# Altium PCB C210.PcbDoc (part 6 of 8) (continued)
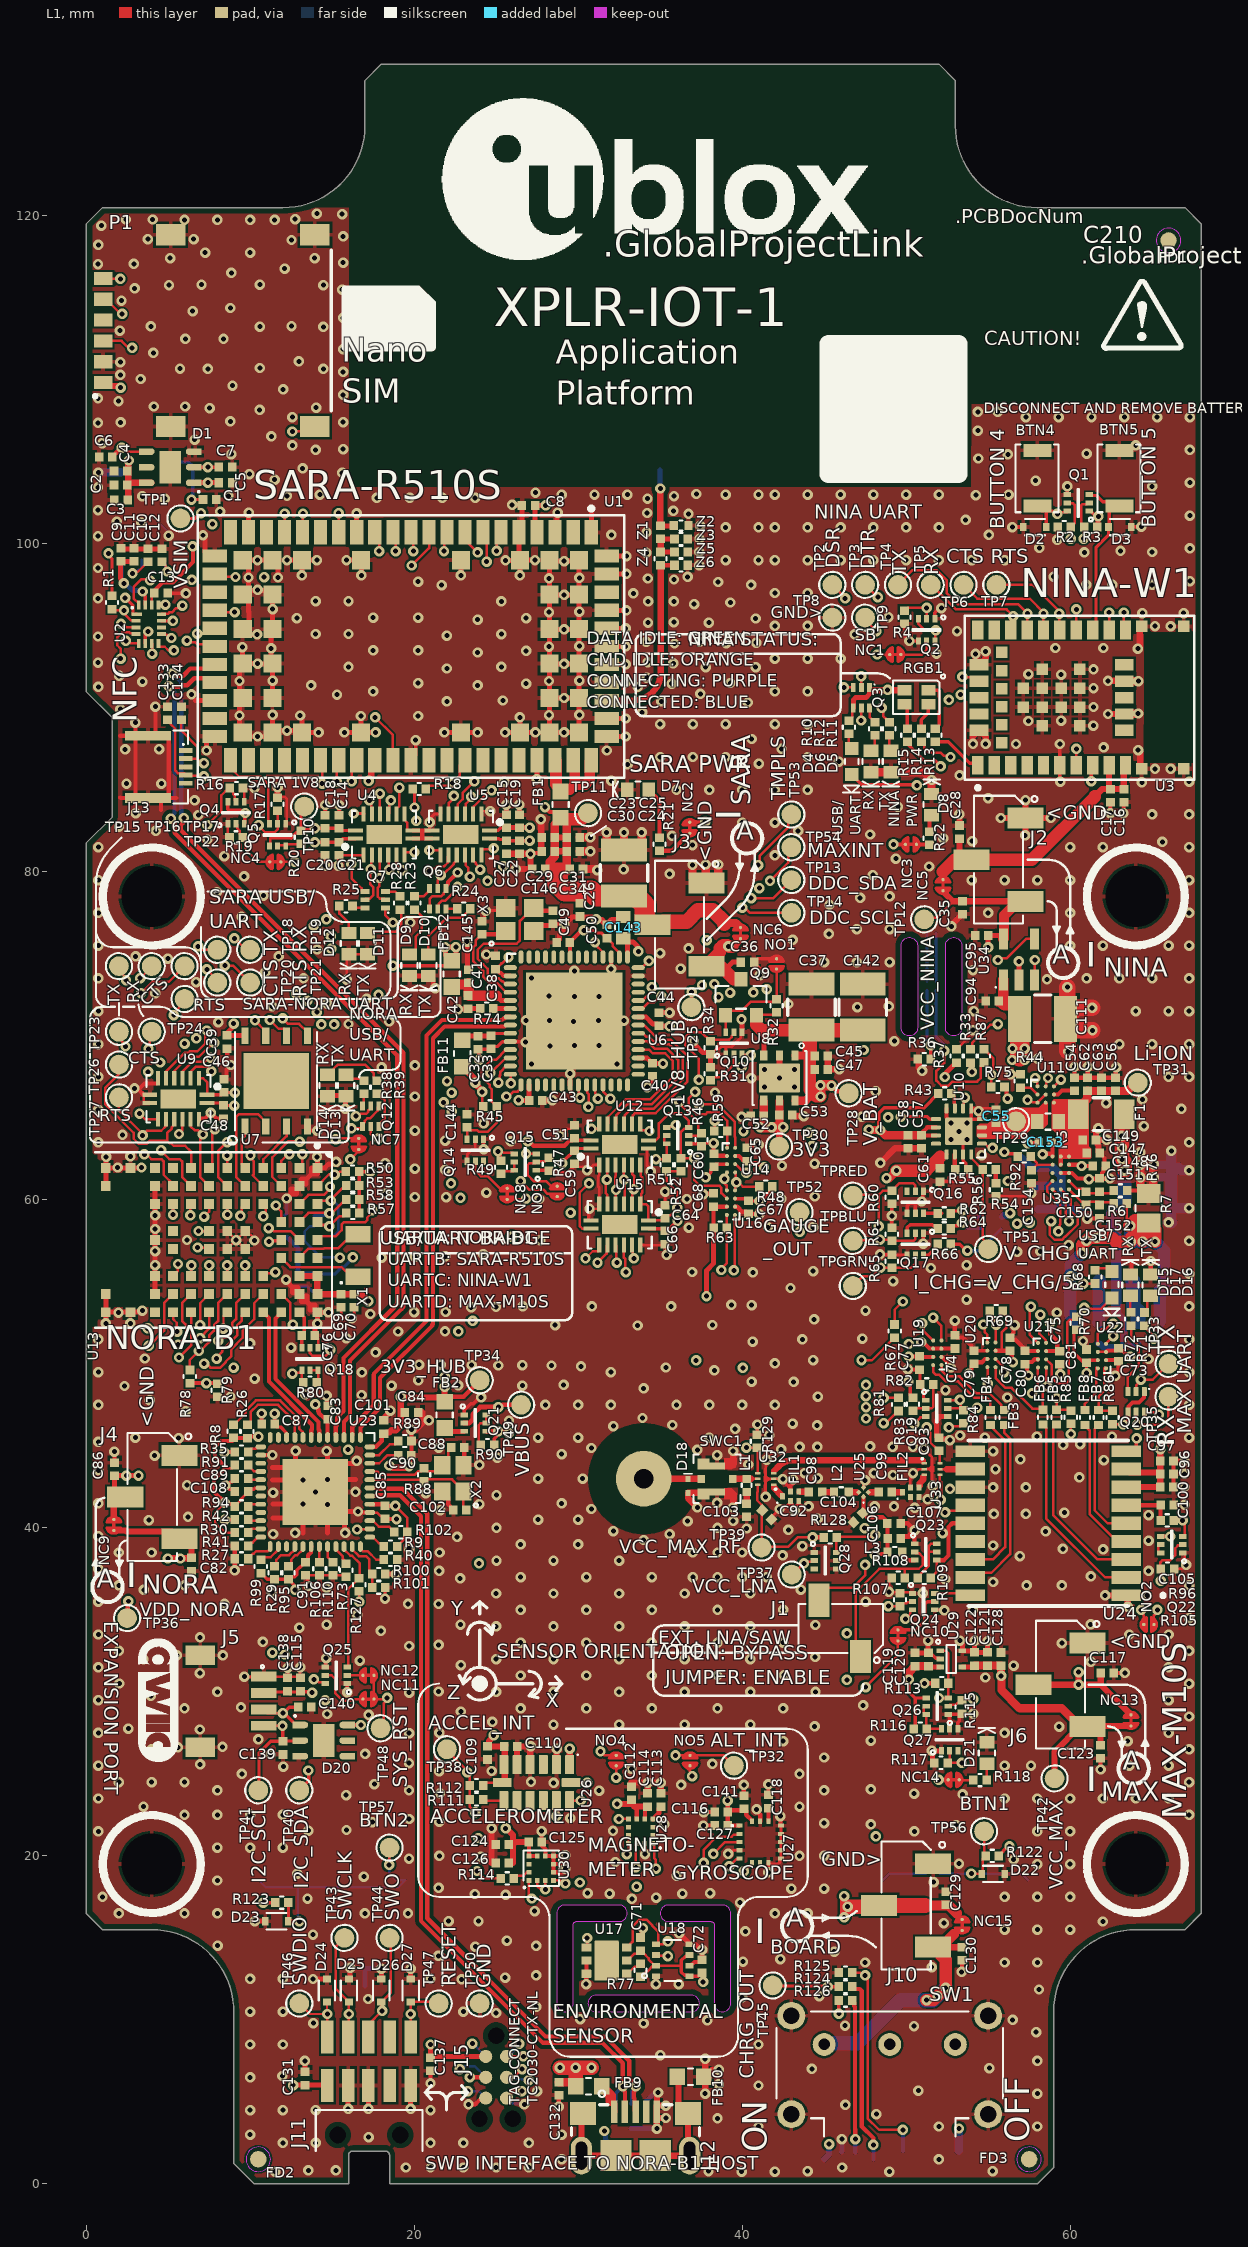
[diagram p0: L1 view]
## Nets (pads, with @x,y where several pads share a name; then routed paths per layer and width w, separated by ;. In a path a pad name is that pad's centre, name@x,y a point inside that pad or via, vN(x,y) a via of type N, cw(c..) or ccw(c..) an arc to the next point about the centre after c; other vN are vias at no path point) (continued)
  other v1: 33.4,60.653
NINA_RXD: Q3.2 TP5.1 U3.23 U12.3 U15.6 | length 61.3
  L1 w0.152: U15.6@31.786,59.742 31.786,60.31 31.693,60.404 31.693,61.17 v1(31.756,61.232) 31.771,61.248 31.771,62.116 U12.3@31.786,62.131 ; v1(47.254,91.925) 47.265,91.915 47.265,91.26 Q3.2@47.275,91.25 ; TP5.1@51.5,97.5 51.539,97.5 53.039,96 56.128,96 56.378,95.75 56.378,95.745 v1@56.378,95.596 ; U3.23@56.378,94.736 v1@56.378,95.596 ; v1(56.527,95.596) v1@56.378,95.596
  L3 w0.152: v1(31.756,61.232) 31.756,61.342 32.562,62.148 32.562,64.449 37.663,69.551 37.663,72.763 37.644,72.782 37.644,73.001 v1(37.552,73.094) ; v1(47.254,91.925) 47.28,91.951 49.151,91.951 50.902,90.2 52.27,90.2 52.562,90.492 v1(52.601,90.492)
  L4 w0.152: v1(37.552,73.094) 37.552,73.136 38.672,74.257 38.7,74.257 45.176,80.733 45.176,82.726 52.599,90.149 52.599,90.491 v1(52.601,90.492) 52.601,90.851 53.096,91.346 53.551,91.346 53.572,91.325 53.775,91.325 56.527,94.077 v1(56.527,95.596)
NINA_TXD: Q3.5 TP4.1 U3.22 U12.4 U15.5 | length 68.9
  L1 w0.152: U15.5@32.286,59.742 32.298,59.753 32.298,60.599 v1(32.309,60.61) 32.318,60.619 32.277,60.66 32.277,61.448 32.286,61.458 U12.4@32.286,62.131 ; v1(47.254,89.228) 47.265,89.238 47.265,89.99 Q3.5@47.275,90 ; TP4.1@49.5,97.5 50.4,98.4 51.85,98.4 52.488,97.762 52.488,96.982 53.145,96.325 56.825,96.325 57.4,95.75 v1(57.4,95.745) ; U3.22@57.378,94.736 57.398,94.757 v1@57.398,95.75
  L3 w0.152: v1(32.309,60.61) 32.277,60.643 32.277,61.448 32.841,62.013 32.841,64.334 38.026,69.518 38.026,72.743 38.311,73.029 v1(38.311,73.159) ; v1(47.254,89.228) 47.337,89.311 47.337,89.612 48.329,90.604 48.329,91.326 48.649,91.646 49.061,91.646 50.787,89.921 52.871,89.921 53.325,90.375 v1(53.325,90.8)
  L4 w0.152: v1(38.311,73.159) 38.375,73.159 38.716,73.5 38.716,73.878 45.481,80.642 45.481,82.6 53.325,90.444 v1(53.325,90.8) 53.681,90.8 57.4,94.519 v1(57.4,95.745)
NORA_BTN_1: BTN1.1 BTN1.2 D22.1 R122.1 TP56.1 U13.E8 | length 89.5
  L1 w0.152: v1(8.046,51.414) 8.177,51.414 8.358,51.595 8.577,51.595 8.897,51.915 8.897,52.48 9.15,52.733 9.15,53.7 U13.E8@9.7,54.25 ; v1(53.975,18.924) 54.573,18.924 D22.1@54.6,18.896 54.675,18.971 54.675,19.825 R122.1@54.85,20 ; TP56.1@54.75,21.5 54.75,20.15 R122.1@54.85,20.05
  L3 w0.152: v1(8.046,51.414) 8.506,50.954 8.506,50.089 7.85,49.433 7.85,35.158 12.1,30.907 13.286,30.907 13.68,31.301 14.08,31.301 14.587,30.795 v1(14.587,29.499)
  L4 w0.152: v1(14.587,29.499) 14.648,29.438 14.993,29.438 15.449,28.982 15.449,25.688 20.61,20.528 24.246,20.528 24.393,20.675 52.95,20.675 53.975,19.65 v1(53.975,18.924)
  L6 w0.152: BTN1.1@48.55,18.5 48.974,18.924 51.184,18.924 51.25,18.99 51.99,18.99 52.057,18.924 v1(53.975,18.924) 57.026,18.924 BTN1.2@57.45,18.5
NORA_BTN_2: BTN2.1 BTN2.2 D23.1 R123.1 TP57.1 U13.J8 | length 59.5
  L1 w0.152: v1(3.825,51.1) 4.75,52.025 4.75,53.7 U13.J8@5.3,54.25 ; v1@18.45,19.45 18.488,19.487 18.488,20.488 TP57.1@18.5,20.5
  L1 w0.203: D23.1@12.314,16.018 12.338,16.043 R123.1@12.338,17.15
  L1 w0.305: D23.1@12.314,16.018 12.332,16 v1(13,16)
  L3 w0.152: v1(3.825,51.1) 4.143,50.782 4.143,49.857 6.735,47.265 6.735,34.696 12.208,29.222 14.072,27.358 14.072,17.072 v1(13,16)
  L6 w0.152: BTN2.1@10.55,18.5 10.974,18.076 12.916,18.076 ; v1(13,16) 12.916,16.084 12.916,18.076 ; v1@18.45,19.45 18.475,19.425 18.475,18.924 18.899,18.5 BTN2.2@19.45,18.5 19.026,18.076 12.916,18.076
  other v1: 18.475,19.45
nQSPI_CS: U7.1 U13.E1 | length 2.7
  L1 w0.152: U7.1@9.68,64.475 9.68,63.905 9.476,63.701 9.476,62.174 U13.E1@9.7,61.95
nRESET: D27.1 J11.10 J15.3 J17.3 Q25.6 TP47.1 U13.J3 | length 75.5
  L1 w0.15: J11.10@19.79,8.96 v1(19.79,10.357)
  L1 w0.152: v1(13.88,30.765) 14.011,30.765 14.196,30.579 14.501,30.579 Q25.6@14.575,30.506 ; v1(19.79,10.357) D27.1@19.79,11.091 21.409,11.091 TP47.1@21.5,11
  L1 w0.203: v1(5.296,59.1) 5.298,59.102 5.298,59.748 U13.J3@5.3,59.75
  L1 w0.254: v1(23.397,6.511) 23.402,6.505 24.36,6.505 J15.3@24.365,6.5
  L3 w0.152: v1(5.296,59.1) 5.296,56.556 5.055,56.315 5.055,55.258 5.028,55.231 5.028,50.154 7.571,47.611 7.571,35.042 12.863,29.75 ; v1(13.88,30.765) 13.849,30.765 12.863,29.779 12.863,29.75 ; v1(23.397,6.511) 23.397,7.203 20.28,10.32 19.827,10.32 v1(19.79,10.357) 18.632,10.357 18.25,9.975 17.27,9.975 14.908,12.337 14.908,27.704 12.863,29.75
  L4 w0.152: v1(23.397,6.511) 26.302,6.511 26.356,6.456 26.806,6.456 26.824,6.474 v1(26.977,6.322)
  L6 w0.152: J17.3@25.635,6.5 25.809,6.326 25.849,6.366 26.948,6.366 26.977,6.337 v1(26.977,6.322)
QSPI_0: U7.5 U13.D2 | length 13.8
  L1 w0.152: v1(10.022,62.719) 9.922,62.619 9.922,62.575 9.922,62.479 10.095,62.479 10.229,62.345 10.229,61.555 10.162,61.488 U13.D2@10.8,60.85 ; v1(11.978,71.069) 11.978,71.043 12.298,70.724 12.984,70.724 13.487,70.22 13.49,70.22 U7.5@13.49,70.005
  L3 w0.152: v1(10.022,62.719) 9.922,62.719 9.922,63.634 10.625,64.338 10.625,69.375 11.989,70.739 11.989,71.059 v1(11.978,71.069)
QSPI_1: U7.2 U13.E2 | length 6.8
  L1 w0.152: U13.E2@9.7,60.85 9.15,61.4 9.15,65.05 9.325,65.225 10.475,65.225 10.95,64.75 U7.2@10.95,64.475
QSPI_2: U7.3 U13.D1 | length 3.1
  L1 w0.152: U13.D1@10.8,61.95 10.8,62.465 12.22,63.885 U7.3@12.22,64.475
QSPI_3: U7.7 U13.F2 | length 12.5
  L1 w0.152: v1(8.596,63.519) 8.579,63.519 8.05,62.99 8.05,61.4 U13.F2@8.6,60.85 ; v1(10.295,70.944) 10.295,70.93 10.95,70.275 U7.7@10.95,70.005
  L3 w0.152: v1(8.596,63.519) 8.596,63.536 10,64.94 10,70.518 10.295,70.813 v1(10.295,70.944)
QSPI_CLK: U7.6 U13.F1 | length 11.7
  L1 w0.152: U13.F1@8.6,61.95 8.6,62.675 8.614,62.689 v1(8.604,62.7) ; v1(11.198,70.964) 11.743,70.419 12.076,70.419 12.22,70.275 U7.6@12.22,70.005
  L3 w0.152: v1(8.604,62.7) 8.604,62.748 10.305,64.448 10.305,70.181 11.073,70.95 11.087,70.964 v1(11.198,70.964)
RTS0: TP27.1 U9.11 U13.H3 | length 12.8
  L1 w0.152: TP27.1@2,66.25 2,65.458 3.45,64.008 v1(3.45,63.937) ; v1@3.45,63.954 3.707,64.211 4.579,64.211 4.875,64.508 U9.11@4.875,64.908 ; v1(6.351,59.051) 6.351,59.701 U13.H3@6.4,59.75
  L3 w0.152: v1(3.45,63.937) 3.467,63.954 4.793,63.954 5.499,63.248 5.761,63.248 6.4,62.609 6.4,59.1 v1(6.351,59.051)
RTS4: TP22.1 U5.14 U13.F3 | length 39.3
  L1 w0.152: v1(5.35,71.263) TP22.1@6,72.25 ; U13.F3@8.6,59.75 8.611,59.739 v1(8.611,59.1) ; U5.14@23.597,81.025 23.597,80.7 23.769,80.528 23.769,80.491 24.028,80.232 v1(24.028,80.13)
  L3 w0.152: v1@5.35,71.25 5.35,71.225 v1(6.725,69.85) 6.725,67.283 8.525,65.483 8.525,64.228 8.05,63.753 8.05,62.475 8.6,61.925 8.6,59.111 v1(8.611,59.1)
  L4 w0.15: v1(6.725,69.85) 6.725,70.487 10.207,73.969 10.207,74.099 13.727,77.618 17.247,77.618 17.337,77.709 18.915,77.709 19.053,77.847 20.76,77.847 21.135,78.222 22.94,78.222 23.955,79.237 23.955,80.058 v1(24.028,80.13)
RTS6: U13.A5 U15.13 | length 23.7
  L1 w0.152: U13.A5@14.1,57.55 14.325,57.775 15.202,57.775 15.571,58.145 15.571,58.495 15.705,58.629 17.009,58.629 17.139,58.759 17.139,58.923 17.447,59.231 v1(17.447,59.361) ; U15.13@32.786,57.242 32.786,56.483 32.885,56.384 32.885,55.612 v1(32.911,55.586)
  L3 w0.152: v1(29.542,59.22) 29.542,59.195 30.987,57.75 31.52,57.75 32.885,56.384 32.885,55.612 v1(32.911,55.586)
  L4 w0.152: v1(17.447,59.361) 17.539,59.269 17.906,59.269 17.967,59.207 29.529,59.207 v1(29.542,59.22)
RX0: Q12.5 TP24.1 U9.14 U13.G2 | length 25.7
  L1 w0.152: v1(3.802,69.21) 3.894,69.302 3.894,70.144 TP24.1@4,70.25 ; U9.14@6.375,64.908 6.375,64.485 6.631,64.229 6.83,64.229 7.064,63.996 v1(7.113,63.996) ; v1@7.1,63.959 6.95,63.808 6.95,61.4 U13.G2@7.5,60.85 ; v1(16.44,65.1) 16.571,65.1 16.718,65.247 17.08,65.247 17.208,65.375 17.208,65.453 17.355,65.6 Q12.5@17.355,65.725
  L3 w0.152: v1(3.802,69.21) 3.886,69.125 4.566,69.125 5.1,68.591 5.1,66.211 6.871,64.44 6.871,64.367 7.113,64.126 v1(7.113,63.996)
  L4 w0.152: v1(7.113,63.996) 7,64.108 7,65.5 7.375,65.875 7.93,65.875 8.73,65.075 15.325,65.075 15.375,65.025 16.365,65.025 v1(16.44,65.1)
RX1/SARA_PRI_TX: Q7.5 TP18.1 U4.3 U6.23 | length 44.7
  L1 w0.15: U6.23@30.514,67.008 30.542,66.979 30.542,66.538 30.635,66.446 30.635,65.674 v1(30.627,65.666)
  L1 w0.152: v1(6.835,75.459) 7.044,75.25 TP18.1@8,75.25 ; Q7.5@17,78.3 17.074,78.374 17.297,78.374 17.492,78.569 17.492,79.075 17.329,79.238 17.329,80.174 v1(17.355,80.174) 17.39,80.174 17.39,80.993 U4.3@17.422,81.025
  L3 w0.152: v1(17.355,80.174) 17.355,79.388 17.267,79.3 17.267,73.8 19.279,71.787 19.279,69.83 21.2,67.909 21.2,65.761 21.561,65.4 22.275,65.4 v1(22.303,65.372)
  L4 w0.152: v1@6.835,75.446 7.889,76.5 9.549,76.5 12.62,79.571 16.438,79.571 16.529,79.661 16.816,79.661 17.329,80.174 v1(17.355,80.174) ; v1(22.303,65.372) 22.999,65.372 23.182,65.19 24.484,65.19 24.952,64.722 29.046,64.722 29.99,65.666 v1(30.627,65.666)
RX4: Q6.5 TP16.1 U5.12 U13.G5 | length 47
  L1 w0.152: v1(3.3,73.513) 4,74.213 TP16.1@4,74.25 ; v1(6.799,57.092) 7.408,57.092 U13.G5@7.5,57 ; Q6.5@21.442,78.999 21.442,79.49 21.617,79.665 v1(21.617,79.796) 21.731,79.796 22.425,80.491 22.425,80.528 22.6,80.703 U5.12@22.6,80.975
  L3 w0.152: v1@3.3,73.5 2.63,72.83 2.63,70.401 3.254,69.777 3.254,68.764 3.642,68.375 v1(4.512,68.375) 4.512,66.368 6.567,64.313 6.567,63.769 6.886,63.449 6.986,63.449 7.343,63.092 7.343,60.172 8.065,59.45 8.065,58.64 7.375,57.95 7.375,57.525 7.203,57.353 7.191,57.353 6.93,57.092 v1(6.799,57.092)
  L4 w0.152: v1(4.512,68.375) 4.6,68.375 5.465,69.24 5.465,70.087 9.41,74.032 9.41,74.163 13.424,78.176 17.016,78.176 17.106,78.266 18.684,78.266 18.873,78.455 20.58,78.455 21.535,79.41 21.535,79.714 v1(21.617,79.796)
RX5: R78.2 U13.F8 U21.A2 | length 62.9
  L1 w0.152: R78.2@6.32,49.625 6.32,50.226 v1(6.879,50.785) 6.882,50.787 6.882,50.811 6.99,50.811 7.5,51.321 7.5,51.717 7.805,52.022 7.805,52.368 8.05,52.613 8.05,53.7 U13.F8@8.6,54.25 ; v1(58.188,53) 58.123,52.935 58.123,51.837 58.52,51.439 58.52,51.296 U21.A2@58.538,51.278
  L4 w0.152: v1(6.879,50.785) 6.96,50.785 7.5,51.325 7.5,51.719 7.805,52.024 7.805,52.368 8.463,53.026 13.081,53.026 14.555,54.5 37.466,54.5 37.609,54.644 41.41,54.644 42.229,53.825 47.682,53.825 48.523,52.984 50.241,52.984 50.926,53.668 52.688,53.668 53.45,54.43 53.949,54.43 54.711,53.668 56.698,53.668 57.548,52.819 57.876,52.819 58.058,53 v1(58.188,53)
RX6: U13.H9 U15.12 | length 34.2
  L1 w0.152: v1(5.661,50.386) 6.4,51.125 U13.H9@6.4,53.15 ; U15.12@32.286,57.242 32.325,57.203 32.325,56.208 v1(32.364,56.169)
  L4 w0.152: v1(5.661,50.386) 6.4,51.125 6.4,52.663 7.678,53.94 12.703,53.94 14.1,55.338 31.533,55.338 v1(32.364,56.169)
SARA_1V8: C8.2 C14.2 C15.1 C18.2 C19.2 C73.2 C74.2 NO3.2 Q5.4 R1.2 R18.1 R20.1 TP10.1 U1.4 U4.16 U5.1 U5.10 U5.15 U19.C1 U19.C2 U22.C1 U22.C2 | length 175
  L1 w0.152: Q5.4@11.221,81.623 11.221,82.05 12.502,82.05 ; v1(20.933,81.312) 21.518,81.312 21.597,81.234 U5.10@21.597,81.025 ; U5.15@24.097,81.025 24.097,81.335 24.147,81.384 24.813,81.384 v1@24.86,81.43 ; v1(26.497,61.137) 27.012,60.622 27.876,60.622 28.14,60.358 28.294,60.358 28.454,60.199 NO3.2@28.725,60.199 ; U19.C2@51.65,50.925 U19.C1@52.15,50.925 ; U22.C2@61.688,50.725 U22.C1@62.188,50.725
  L1 w0.203: v1(1.365,99.425) 1.365,99.308 1.575,99.098 R1.2@1.575,96.825 ; Q5.4@11.172,81.575 Q5.4@11.221,81.623 ; 12.502,82.05 12.852,82.4 12.997,82.4 R20.1@13.097,82.5 13.097,83.777 TP10.1@13.3,83.98 ; R20.1@13.11,82.487 13.2,82.578 13.869,82.578 v1(13.947,82.656) C18.2@14.576,82.656 C14.2@15.425,82.656 15.556,82.525 U4.16@16.422,82.525 ; R18.1@19.922,85.05 20.022,84.95 v1(20.022,83.925) ; U5.1@24.597,82.525 25.122,82.525 25.272,82.675 C15.1@25.622,82.675
  L1 w0.254: v1(50.919,51.331) 51.022,51.331 51.417,50.936 C74.2@52.968,50.936 ; U22.C1@62.188,50.725 62.198,50.725 62.294,50.821 62.817,50.821 62.958,50.962 63.098,50.821 63.188,50.821 63.565,50.444 v1(63.668,50.444)
  L1 w0.305: C15.1@25.622,82.675 25.647,82.7 v1(27.045,82.7) ; U1.4@27.5,100.7 27.372,100.828 C8.2@27.372,102.35 v1(28.022,102.35)
  L3 w0.152: v1(7.699,101.2) 10.625,101.2 11.796,102.371 14.496,102.371 15.05,102.925 16.832,102.925 17.932,101.825 26.825,101.825 27.35,102.35 v1(28.022,102.35)
  L3 w0.254: v1(20.933,81.312) 20.933,81.305 20.279,80.651 20.279,77.215 20.445,77.048 20.445,70.355 22.88,67.92 22.88,61.738 22.25,61.109 v1(22.25,61.005) 22.177,60.933 21.886,60.933 20.869,59.916 20.869,55.058 22.519,53.408 22.519,52.176 22.692,52.003 v1(22.692,51.977)
  L3 w0.305: v1@27.097,82.752 v1(27.045,82.7) 27.045,84.082 28.097,85.135 28.097,88.728 27.5,89.325 27.5,98.128 28.022,98.65 v1(28.022,102.35)
  L4 w0.152: v1(22.25,61.005) 22.316,61.071 26.432,61.071 v1(26.497,61.137) ; 24.622,82.497 24.622,82.052 24.768,81.907 24.768,81.522 v1(24.86,81.43)
  L4 w0.203: 39.898,51.9 40.098,52.1 50.569,52.1 50.769,51.9 ; 50.919,51.808 58.871,51.808 59.739,52.676 59.739,53.189 60.516,53.966 61.082,53.966 62.017,53.03 62.017,51.483 62.407,51.093 63.019,51.093 v1(63.668,50.444)
  L4 w0.254: v1(22.692,51.977) 22.719,51.977 22.928,51.767 39.765,51.767 39.898,51.9 ; 50.769,51.9 50.827,51.9 50.919,51.808 v1(50.919,51.331)
  L4 w0.305: v1(20.933,81.312) 21.481,81.312 22.601,82.432
  L4 w0.381: v1(13.947,82.656) 18.754,82.656 v1(20.022,83.925) 20.347,83.925 20.597,83.675 21.422,83.675 22.601,82.497 24.622,82.497 26.708,82.497 26.772,82.56 26.906,82.56 v1(27.045,82.7)
  L5 w0.203: v1(1.365,99.425) 3.089,99.425 4.864,101.2 v1(7.699,101.2)
SARA_VCC_IN: C13.1 C23.2 C24.1 C25.2 C26.2 C29.1 C30.1 C31.1 C34.1 FB1.1 J3.2 NC6.1 TP11.1 U2.14 | length 61.1
  L1 w0.152: U2.14@4.011,96.275 4.011,96.85 C13.1@4.161,97
  L1 w0.254: C13.1@4.161,97 4.161,97.146 4.664,97.649 5.291,97.649 6.525,98.883 6.525,99.814 6.493,99.846 v1(6.496,99.849) ; v1(27.979,83.942) 28.271,83.65 28.475,83.65 FB1.1@28.925,83.2 ; 30.075,78.831 30.1,78.806 C34.1@30.1,78.078
  L1 w0.381: C30.1@28.575,81.25 C24.1@29.3,81.25 ; C23.2@28.575,82.1 C25.2@29.3,82.1 ; FB1.1@28.628,82.903 28.925,83.2 FB1.1@29.078,83.2
  L1 w0.508: 28.325,80.1 28.25,80.175 28.25,80.607 28.575,80.932 C30.1@28.575,81.25 C23.2@28.575,82.1 FB1.1@28.575,82.903 ; C31.1@29.3,80.175 C24.1@29.3,81.25 C25.2@29.3,82.1 FB1.1@29.3,82.925 ; 38.9,76.85 38.933,76.883 39.617,76.883 NC6.1@39.9,76.6
  L1 w0.762: 28.35,80.175 29.15,80.175 ; FB1.1@29.078,83.2 30.218,83.2 TP11.1@30.6,83.582 ; C31.1@29.247,80.122 C31.1@29.247,80.175
  L1 w0.889: J3.2@34.525,76.779 34.99,76.779 35.181,76.969 36.609,76.969 37.304,77.664 38.193,77.664 38.9,76.957 38.9,76.85
  L1 w1.27: 28.742,79.853 28.742,79.288 29.198,78.831 30.075,78.831 30.784,78.831 31.085,78.53 33.497,78.53 34.06,77.968 34.06,76.779 J3.2@34.56,76.779
  L4 w0.254: v1(6.496,99.849) 6.491,99.849 6.491,98.869 8.39,96.97 9.541,96.97 9.586,96.925 9.6,96.925 14.4,92.125 14.4,90.75 18.927,86.223 25.698,86.223 v1(27.979,83.942)
SENSE_I2C_SCL: C139.2 D20.2 J5.4 R58.1 TP41.1 U11.A3 U13.B4 U17.6 U18.4 U26.14 U27.2 U28.1 U30.1 U31.4 U35.A3 | length 161.9
  L1 w0.15: v1(37.647,19.575) 37.647,20.367 38.446,21.166 39.353,21.166 39.477,21.29 39.785,21.29 U27.2@39.835,21.34
  L1 w0.152: J5.4@10.825,27.931 v1(11.975,27.931) ; U13.B4@13,58.65 13.55,59.2 14.8,59.2 v1(14.825,59.175) 14.97,59.175 R58.1@15.838,60.044 ; U30.1@27,18.5 27,17.575 v1(27.175,17.4) ; U26.14@29.573,24.467 v1(30.559,24.467) ; U17.6@32.964,14.413 33.014,14.413 33.187,14.587 33.187,14.637 33.324,14.774 33.324,15.693 33.741,16.109 34.172,16.109 34.524,15.758 34.524,15.726 34.893,15.357 34.893,14.702 U18.4@34.794,14.603 ; U28.1@34.575,20.75 34.646,20.679 34.646,19.848 34.723,19.772 34.723,19.249 v1(34.746,19.226) ; U18.4@34.744,14.603 U18.4@34.794,14.603 ; v1(35.475,14.787) 35.347,14.787 35.163,14.603 U18.4@34.794,14.603 ; U35.A3@58.93,60.642 59.72,59.852 59.72,59.031 59.929,58.822 v1(59.929,58.705) ; U11.A3@59.01,66.922 59.017,66.922 59.429,67.333 v1(59.435,67.333)
  L1 w0.203: TP41.1@10.5,24 10.539,24.039 10.539,26.269 11.25,26.981 C139.2@11.993,26.981 ; v1(11.975,27.931) 11.984,27.922 11.984,26.989 C139.2@11.993,26.981 ; D20.2@13.34,27.031 13.316,27.006 12.018,27.006 C139.2@11.993,26.981
  L3 w0.152: v1(11.358,32.386) 11.947,32.974 11.947,45.026 12.401,45.48 12.401,48.457 13.206,49.263 13.206,54.212 14.295,55.301 14.295,57.02 15.05,57.775 15.05,57.779 15.375,58.104 15.375,58.65 14.85,59.175 v1(14.825,59.175) ; v1(30.1,18.375) 30.125,18.375 30.455,18.705 30.455,22.886 30.701,23.132 30.701,24.325 v1(30.559,24.467) ; v1(34.746,19.226) 34.746,19.2 34.441,18.895 34.441,17.872 34.169,17.6 34.169,16.113 35.475,14.806 v1(35.475,14.787)
  L4 w0.152: v1(11.358,32.386) 11.431,32.313 11.431,28.474 v1(11.975,27.931) 13.031,26.875 13.031,24.99 13.364,24.657 15.69,24.657 22.122,18.225 26.35,18.225 v1(27.175,17.4) 28.19,17.4 28.598,17.808 29.568,17.808 30.1,18.341 v1(30.1,18.375) 30.45,18.725 34.245,18.725 v1(34.746,19.226) 35.096,19.575 v1(37.647,19.575) ; v1(14.825,59.175) 15.439,58.561 27.477,58.561 28.094,57.944 35.15,57.944 35.943,57.15 46.275,57.15 48.7,59.575 49.575,59.575 51.725,57.425 59.361,57.425 59.929,57.992 59.929,58.799 59.692,59.036 59.692,66.43 59.435,66.687 v1(59.435,67.333)
  L6 w0.203: U31.4@13.9,59.025 13.925,59.05 14.7,59.05 v1(14.825,59.175)
SENSE_I2C_SDA: C140.2 D20.1 J5.3 R53.1 TP40.1 U11.A2 U13.A3 U17.1 U18.3 U26.13 U27.3 U28.11 U30.4 U31.6 U35.B3 | length 164.5
  L1 w0.15: v1(38.239,20.125) 38.954,20.84 U27.3@39.835,20.84
  L1 w0.152: J5.3@10.825,28.931 11.049,28.707 11.987,28.707 v1(11.993,28.702) ; v1@11.999,28.708 12.016,28.708 v1@12.117,28.708 ; U13.A3@14.1,59.75 14.3,59.95 14.308,59.942 14.937,59.942 v1@14.937,59.952 ; v1(14.926,59.956) 14.926,60.021 15.78,60.875 R53.1@15.853,60.875 ; U30.4@28.5,18.5 28.924,18.5 29.094,18.329 v1(29.225,18.329) ; U26.13@29.475,23.37 30.144,23.37 v1(30.15,23.375) ; U17.1@30.504,14.413 30.555,14.465 v1(30.555,14.994) ; v1(33.515,19.3) 33.515,20.69 U28.11@33.575,20.75 ; U18.3@34.744,13.953 34.776,13.921 35.443,13.921 v1(35.475,13.89) ; U11.A2@58.51,66.922 58.528,66.939 58.528,67.178 58.647,67.297 v1(58.647,67.428) ; U35.B3@58.93,61.142 58.604,60.817 58.604,60.507 59.408,59.704 59.408,58.53 59.367,58.489 59.367,58.167 v1(59.275,58.075)
  L1 w0.203: v1(11.993,28.702) v1@12.01,28.702 ; C140.2@12.94,29.067 12.376,29.067 12.016,28.708 v1@12.01,28.702 ; TP40.1@13,24 13.567,24.567 13.567,25.19 v1(13.552,25.206) ; D20.1@13.34,27.981 D20.1@12.965,27.981 12.79,27.981 12.069,28.702 v1@12.01,28.702
  L3 w0.152: v1(11.993,28.702) 13.65,27.044 13.65,25.536 13.644,25.53 13.644,25.298 v1(13.552,25.206) ; v1(12.113,32.28) 12.193,32.36 12.193,32.826 12.226,32.859 12.226,44.882 12.68,45.335 12.68,48.306 13.511,49.136 13.511,54.086 14.6,55.175 14.6,56.871 15.694,57.965 15.694,59.188 v1(14.926,59.956) ; v1(29.225,18.329) 29.254,18.329 30.15,19.225 v1(30.15,23.375) ; v1(30.555,14.994) 30.6,15.039 33.102,15.039 33.436,15.373 ; v1(33.515,19.3) 34.086,18.729 34.086,17.913 33.797,17.623 33.797,16.297 33.436,15.936 33.436,15.373 ; v1(35.475,13.89) 34.919,13.89 33.436,15.373
  L4 w0.152: v1(12.113,32.28) 12.113,32.2 11.761,31.849 11.761,29.032 11.993,28.801 v1(11.993,28.702) 13.409,27.285 13.409,25.564 v1@13.709,25.264 ; v1(13.552,25.206) 15.537,25.206 22.238,18.505 28.218,18.505 28.422,18.3 29.196,18.3 v1(29.225,18.329) ; v1(14.926,59.956) 16.042,58.841 27.641,58.841 28.258,58.223 35.351,58.223 36.119,57.455 46.149,57.455 48.574,59.88 49.701,59.88 51.851,57.73 58.848,57.73 59.193,58.075 59.321,58.075 59.367,58.121 59.367,58.489 59.408,58.53 59.408,58.915 59.413,58.92 59.413,66.314 59.156,66.571 59.156,66.876 58.647,67.385 v1(58.647,67.428) ; v1@29.24,18.315 29.979,19.054 33.27,19.054 v1(33.515,19.3) 34.084,19.3 34.909,20.125 v1(38.239,20.125)
  L6 w0.152: U31.6@13.975,57.775 15.046,57.775 15.38,58.109 15.38,59.62 15.044,59.956 v1(14.926,59.956)
SIM_CLK: U1.38 U2.8 | length 16.3
  L1 w0.152: U2.8@4.411,93.925 4.411,93.76 4.445,93.726 4.793,93.726 5.019,93.5 v1(5.344,93.5) ; U1.38@14.3,86.8 14.397,86.703 v1(14.397,85.377)
  L4 w0.152: v1(5.344,93.5) 8.411,93.5 10.829,91.082 10.829,88.946 v1(14.397,85.377)
SIM_IO: U1.39 U2.12 | length 18.7
  L1 w0.152: U2.12@4.586,95.7 4.62,95.734 4.989,95.734 5.076,95.821 5.232,95.821 5.487,96.076 5.588,96.076 5.74,96.228 v1(5.871,96.228) ; v1(15.296,85.5) 15.296,86.696 U1.39@15.4,86.8
  L4 w0.152: v1(5.871,96.228) 5.871,96.154 6.85,95.175 8.923,95.175 12.047,92.051 12.047,89.597 15.25,86.394 15.25,85.546 v1(15.296,85.5)
SIM_RST: U1.40 U2.4 | length 23.4
  L1 w0.152: v1(2.099,93) 2.099,93.615 1.9,93.815 1.9,94.299 2.205,94.604 2.636,94.604 2.707,94.534 3.002,94.534 U2.4@3.036,94.5 ; v1(16.184,85.523) 16.184,86.484 U1.40@16.5,86.8
  L4 w0.152: v1(2.099,93) 2.986,93 3.586,92.4 4.412,92.4 4.912,92.9 6.95,92.9 9.908,89.942 9.908,88.024 10.232,87.7 11.25,87.7 14.119,84.831 15.525,84.831 v1@16.2,85.506
SWCLK: D25.1 J11.4 J15.4 J17.4 TP43.1 U13.J2 | length 83.3
  L1 w0.15: J11.4@16.025,8.96 v1(16.025,10.357)
  L1 w0.152: v1(3.546,62.775) 3.677,62.775 3.973,62.479 4.595,62.479 4.729,62.345 4.729,61.531 5.3,60.96 U13.J2@5.3,60.85 ; TP43.1@15.75,15 15.225,14.475 15.225,11.891 D25.1@16.025,11.091 v1(16.025,10.357) ; J15.4@25.635,6.5 26.081,6.5 v1(26.581,7)
  L3 w0.152: v1(3.546,62.775) 3.588,62.733 4.092,62.733 4.75,62.075 4.75,55.348 4.749,55.347 4.749,50.038 7.291,47.496 7.291,34.926 14.629,27.589 14.629,12.221 16.025,10.825 v1(16.025,10.357)
  L4 w0.15: 25.744,7.65 26.394,7 v1(26.581,7)
  L4 w0.152: v1(16.025,10.357) 16.368,10.357 19.075,7.65 22.82,7.65 ; v1(22.783,7) 22.783,7.613 22.82,7.65 ; 25.744,7.65 22.82,7.65
  L6 w0.152: v1(22.783,7) 22.783,7.083 22.885,7.185 23.68,7.185 J17.4@24.365,6.5
SWDIO: D24.1 J11.2 J15.2 J17.2 TP46.1 U13.H2 | length 81.4
  L1 w0.15: v1(4.573,63.025) 4.573,62.983 5.078,62.477 5.694,62.477 5.697,62.475 5.725,62.475 5.85,62.35 5.85,61.4 U13.H2@6.4,60.85 ; TP46.1@13,11 13.643,10.357 v1(14.71,10.357) ; D24.1@14.686,11.091 14.686,10.381 v1(14.71,10.357) ; J11.2@14.71,8.96 v1(14.71,10.357) ; J15.2@25.635,7.77 25.641,7.776 26.65,7.776 v1(26.656,7.781)
  L3 w0.15: v1(3.75,52.167) 3.75,52.128 4.446,51.432 4.446,49.947 7.013,47.38 7.013,34.811 14.351,27.473 14.351,10.765 14.71,10.405 v1(14.71,10.357)
  L4 w0.15: v1(3.75,52.167) 3.75,52.21 4.75,53.21 4.75,62.625 4.55,62.825 4.55,63.002 v1(4.573,63.025) ; v1(14.71,10.357) 15.253,10.9 16.275,10.9 19.224,7.951 23.554,7.951 ; v1(23.554,8.55) 23.554,7.951 ; v1(26.656,7.781) 26.563,7.874 26.286,7.874 26.209,7.951 23.554,7.951
  L6 w0.15: v1(23.554,8.55) 23.585,8.55 J17.2@24.365,7.77
SWO: D26.1 J11.6 J15.6 J17.6 TP44.1 U13.B3 | length 78.5
  L1 w0.152: U13.B3@13,59.75 13.55,60.3 14.494,60.3 14.85,60.656 14.85,60.8 v1(14.87,60.8) ; J11.6@17.21,8.96 17.21,9.715 v1(18.05,10.555) 18,10.605 D26.1@18,11.091 18.589,11.68 18.589,14.911 TP44.1@18.5,15
  L1 w0.254: J15.6@25.63,5.25 26.035,5.655 v1(26.563,5.655) ; J15.6@25.635,5.23 J15.6@25.903,5.23
  L3 w0.152: v1(14.87,60.8) 15.064,60.8 15.999,59.865 15.999,57.774 14.926,56.701 14.926,56.172 15.472,55.626 15.472,52.433 14.31,51.271 14.31,49.464 15.275,48.499 15.275,12.4 17.25,10.425 17.92,10.425 18.131,10.636 19.211,10.636 19.525,10.95 20.075,10.95 24.614,6.411 24.614,6.189 ; v1(23.279,5.655) 23.304,5.63 24.055,5.63 24.614,6.189 ; v1(26.563,5.655) 25.148,5.655 24.614,6.189
  L6 w0.152: v1(23.279,5.655) 23.94,5.655 J17.6@24.365,5.23
SYS_RST: BTN3.1 NC1.2 NC4.2 NC8.2 NC10.2 NC11.2 NC12.2 R125.2 TP48.1 | length 188.4
  L1 w0.152: NC4.2@11.874,80.607 12.727,80.607 v1(12.729,80.605) ; NC12.2@17.551,31.007 NC11.2@17.551,29.559 18.278,29.559 v1(18.35,29.631) 18.35,29.5 18.161,29.311 18.161,27.992 TP48.1@17.95,27.781 ; NC8.2@25.675,60.034 26.792,60.034 26.792,60.046 v1(26.822,60.076) ; R125.2@46.704,12.875 47.212,12.875 47.371,12.715 v1(47.502,12.715) 47.527,12.715 47.655,12.587 47.655,3.995 48.35,3.3 v1(49.8,3.3) ; v1(47.527,30.29) 49.5,32.263 NC10.2@49.5,33.103 ; v1(48.25,93.25) NC1.2@49,93.25
  L3 w0.152: v1(18.35,29.631) 18.35,33.351 23.146,38.147 23.146,39.753 22.214,40.684 22.214,45.99 20.821,47.384 20.821,50.277 21.368,50.825 22.277,50.825 23.213,51.761 23.213,52.228 22.9,52.541 22.9,53.571 21.238,55.233 21.238,58.532 v1(22.825,60.119) 22.825,61.217 23.213,61.604 23.213,66.924 23.21,66.927 23.21,68.057 20.775,70.492 20.775,75.754 v1(24.475,79.454) ; v1(47.502,12.715) 48.377,13.591 48.377,20.528 48.242,20.662 48.242,21.058 48.15,21.15 v1(48.15,21.196) 48.15,21.254 48.377,21.481 48.377,29.098 47.796,29.679 47.796,29.89 47.527,30.159 v1(47.527,30.29)
  L4 w0.152: v1(12.729,80.605) 12.729,80.562 13.44,79.85 16.268,79.85 17.137,80.719 18.28,80.719 18.348,80.651 24.386,80.651 24.548,80.489 24.548,79.915 24.515,79.881 24.515,79.494 v1(24.475,79.454) 24.567,79.362 24.783,79.362 24.806,79.339 39.914,79.339 40.443,79.868 41.268,79.868 41.4,80 42.644,80 43.957,81.312 43.957,83.282 47.775,87.1 47.775,92.775 v1(48.25,93.25) ; v1(18.35,29.631) 18.35,26.176 23.434,21.091 v1(23.913,21.091) ; v1(22.825,60.119) 23.094,59.85 26.606,59.85 26.822,60.067 v1(26.822,60.076) ; v1@23.974,21.031 24.459,21.031 24.535,20.954 47.819,20.954 48.061,21.196 v1(48.15,21.196)
  L6 w0.254: BTN3.1@49.8,2 v1(49.8,3.3)
TX0: Q12.2 TP23.1 U9.13 U13.G3 | length 30.3
  L1 w0.152: TP23.1@2,70.25 2,69.85 2.4,69.45 v1(2.4,69.35) ; v1(5.661,64.016) 5.722,64.016 5.844,64.138 5.844,64.154 5.818,64.18 5.875,64.237 U9.13@5.875,64.908 ; v1(7.195,58.98) 7.205,58.98 7.5,59.275 U13.G3@7.5,59.75 ; Q12.2@17.355,64.475 17.355,64.005 17.512,63.848 17.748,63.848 v1(17.84,63.755)
  L3 w0.152: v1(2.4,69.35) 2.4,68.316 3.495,67.22 3.495,66.523 4.136,65.881 5.661,64.357 v1(5.661,64.016) ; v1@5.705,64.18 5.75,64.225 5.957,64.018 5.957,63.517 6.634,62.84 6.734,62.84 6.734,59.441 v1(7.195,58.98)
  L4 w0.152: v1(5.661,64.016) 6.283,64.016 6.899,63.4 7.704,63.4 9.099,64.796 14.847,64.796 16.039,63.604 17.558,63.604 17.71,63.755 v1(17.84,63.755)
TX1/SARA_PRI_RX: Q7.2 TP19.1 U4.4 U6.22 | length 40.4
  L1 w0.152: v1(9.043,75.949) 9.742,75.25 TP19.1@10,75.25 ; v1(17.88,79.623) v1@17.88,79.612 ; U4.4@17.922,81.025 17.901,81.004 17.901,79.633 v1@17.88,79.612 ; Q7.2@18.25,78.3 18.176,78.374 17.906,78.374 17.772,78.509 17.772,79.025 17.88,79.134 v1@17.88,79.612 ; U6.22@30.014,67.008 30.042,66.979 30.042,66.304 v1(30.115,66.23)
  L3 w0.152: v1(17.88,79.623) 17.88,79.519 17.546,79.185 17.546,73.915 19.558,71.903 19.558,69.946 21.479,68.025 21.479,66.962 21.753,66.689 21.753,65.992 v1(21.8,65.945)
  L4 w0.152: v1(9.043,75.949) 9.429,75.949 12.771,79.291 16.554,79.291 16.644,79.381 16.931,79.381 17.173,79.623 v1(17.88,79.623) ; v1(21.8,65.945) 22.822,65.945 23.298,65.469 24.626,65.469 25.094,65.001 28.93,65.001 30.115,66.187 v1(30.115,66.23)